# KiCad board 4x_Mini_Controller_Wired.kicad_pcb
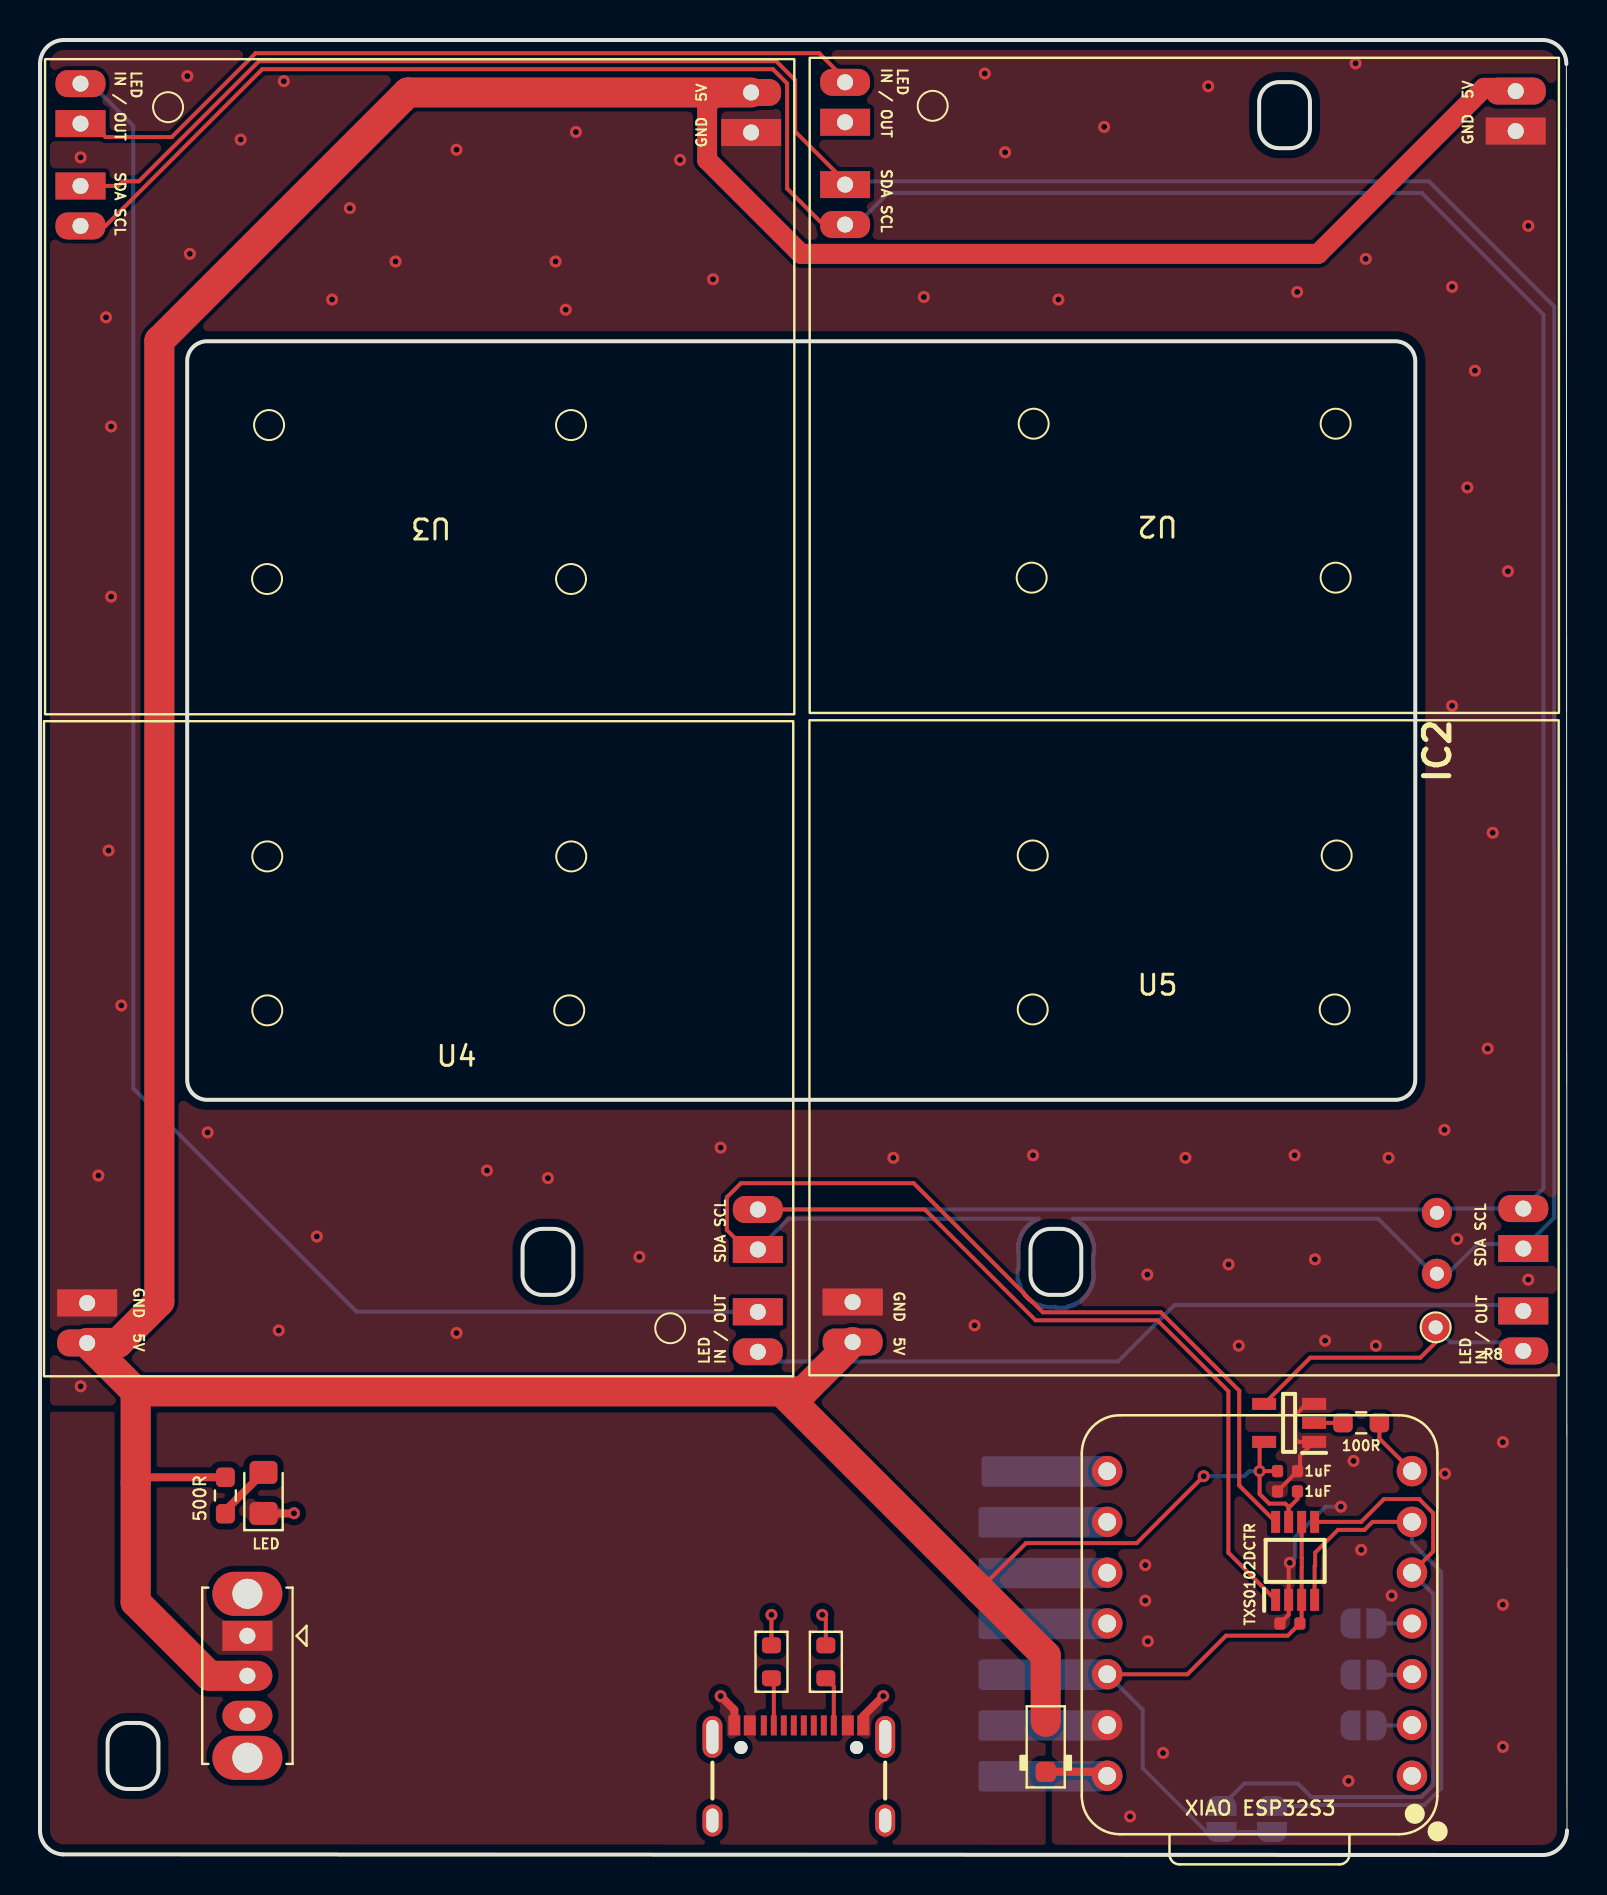
[diagram p0: board, top side]
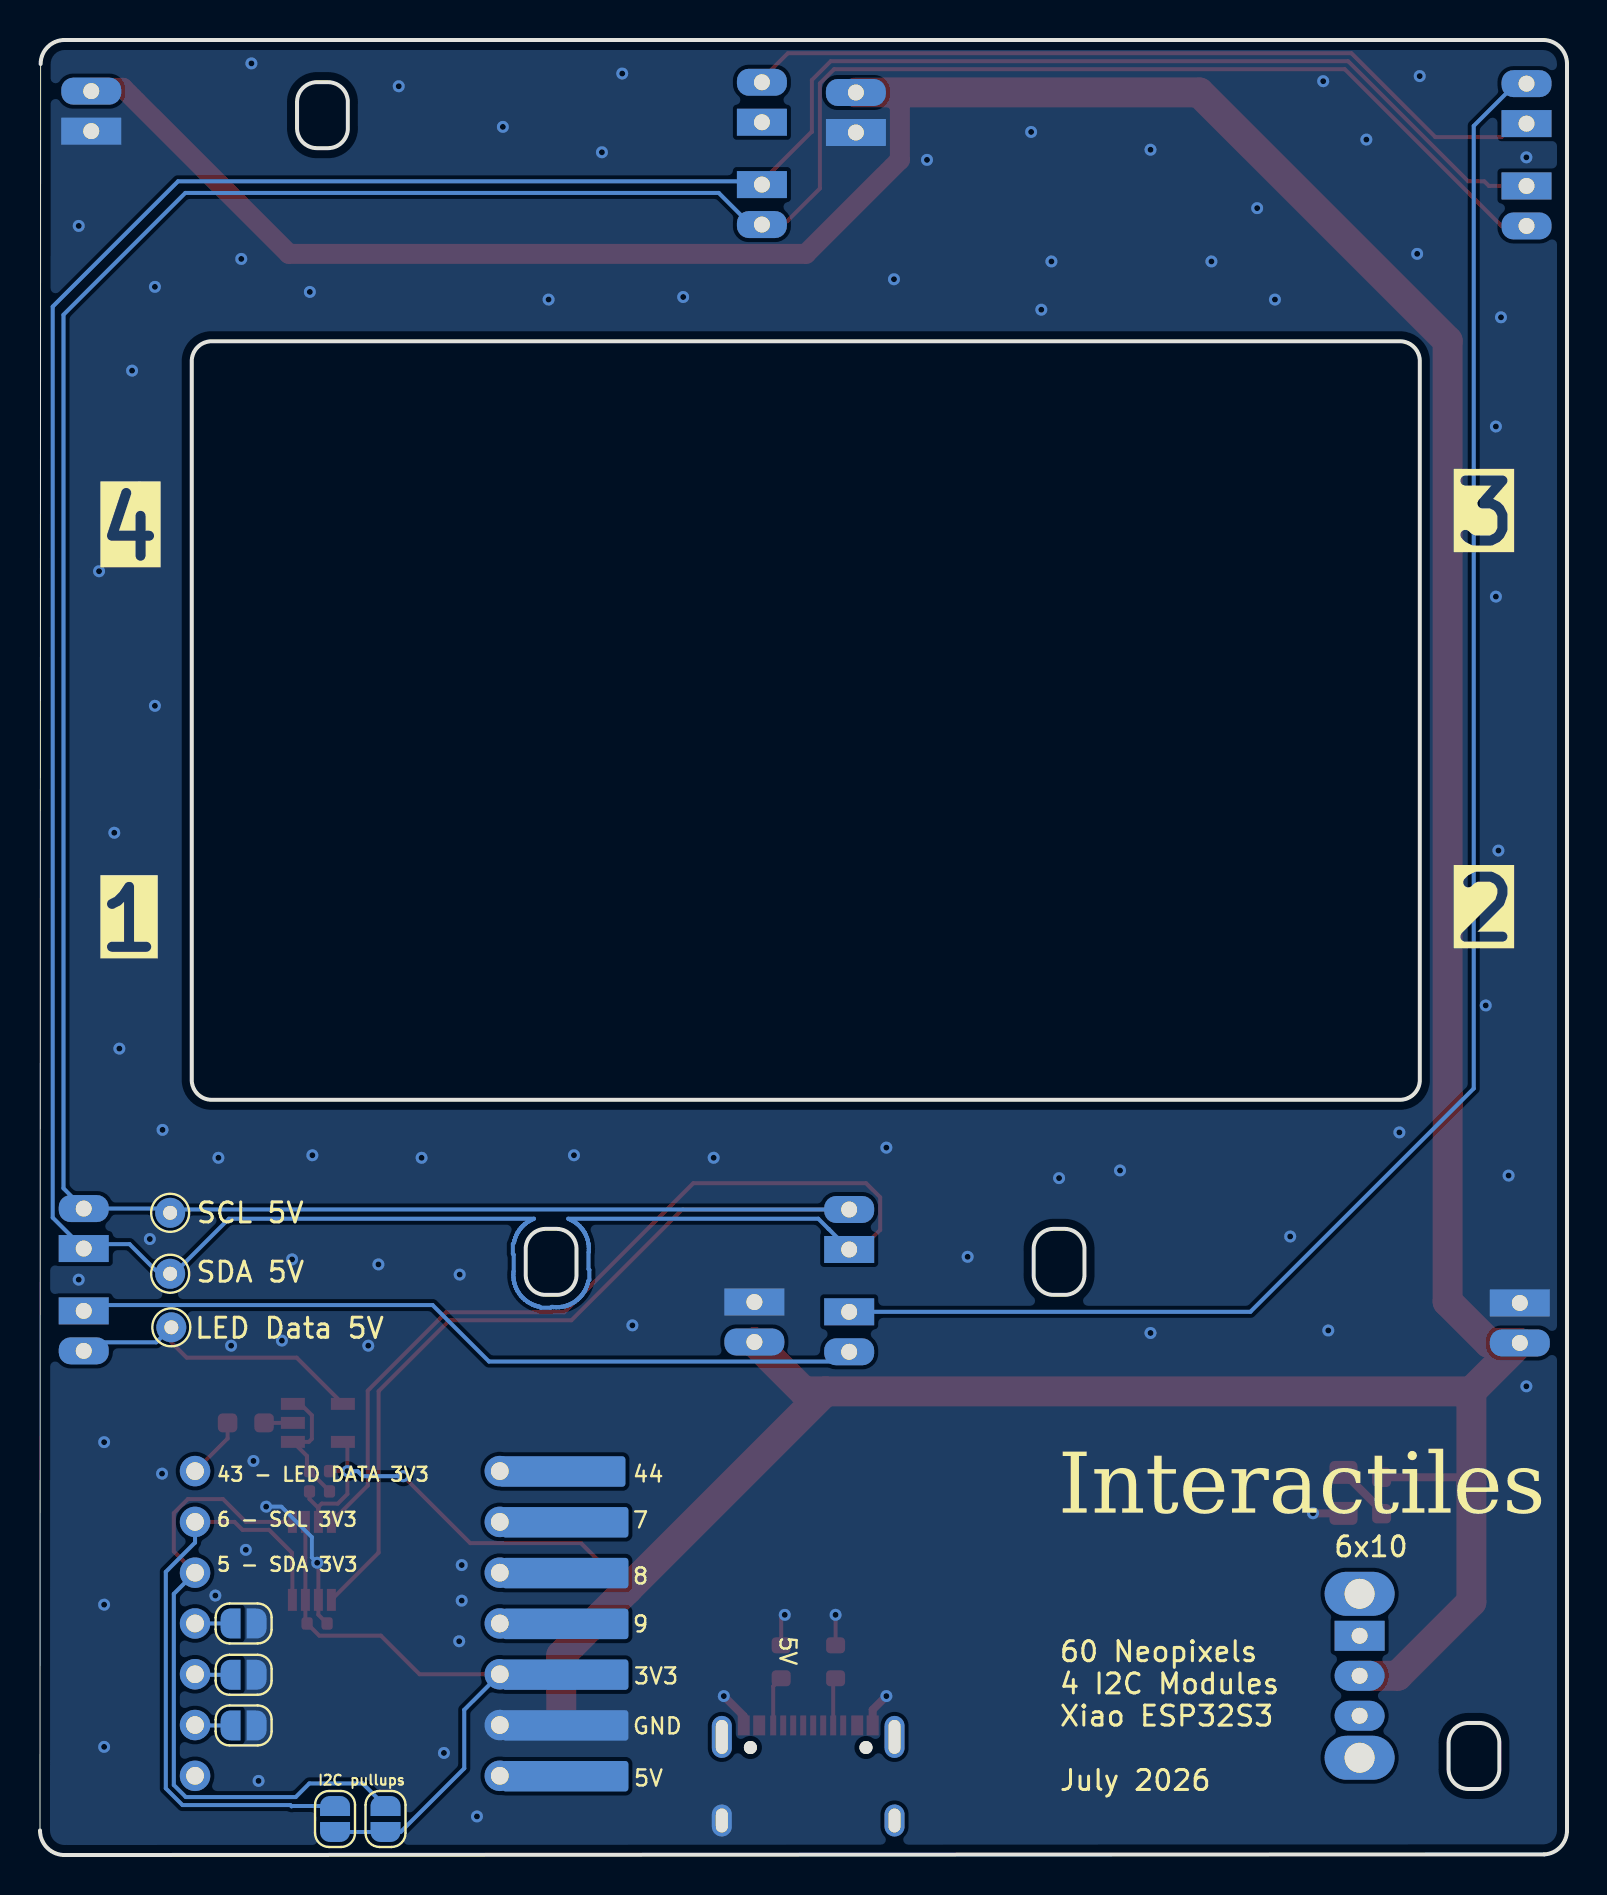
[diagram p1: board, bottom side, seen from below]

Outline 76.36 x 90.78 mm; copper layers: Top, Bottom. Coordinates in mm from the lower left corner of the outline.
Outline path: 4.38,3.3 3.68,3.6 3.38,4.3 3.38,5.6 3.68,6.31 4.38,6.6 4.92,6.6 5.63,6.31 5.92,5.6 5.92,4.3 5.63,3.6 4.92,3.3 closed ; 25.13,28.01 24.42,28.31 24.13,29.01 24.13,30.32 24.42,31.02 25.13,31.32 25.67,31.32 26.38,31.02 26.67,30.32 26.67,29.01 26.38,28.31 25.67,28.01 closed ; 50.53,28.01 49.82,28.31 49.53,29.01 49.53,30.32 49.82,31.02 50.53,31.32 51.07,31.32 51.78,31.02 52.07,30.32 52.07,29.01 51.78,28.31 51.07,28.01 closed ; 61.96,85.37 61.26,85.66 60.96,86.37 60.96,87.67 61.26,88.38 61.96,88.67 62.5,88.67 63.21,88.38 63.5,87.67 63.5,86.37 63.21,85.66 62.5,85.37 closed ; rectangle 7.36,75.71 68.77,37.77 ; 0,89.58 arc(0.35,90.43) 1.2,90.78 75.13,90.78 arc(75.98,90.43) 76.33,89.58 76.36,1.23 arc(75.97,0.33) 75.06,0 1.13,0.03 arc(0.33,0.41) 0,1.23 0,89.58

## Placement (name value [footprint] x y rotation side)
C2  1uF  [C_0402]  62.38 18.19 180 top
C4  1uF  [C_0402]  62.5 11.58 180 top
C7  1uF  [C_0402]  62.38 19.2 0 top
D1  LED  [LED_0805_2012Metric_Pad1.15x1.40mm_HandSolder]  11.18 18.11 90 top
D6  1N5817M  [D_SOD-323_BigPads]  50.29 5.41 90 top
IC2  -  [TXS0102DCTR]  62.76 14.71 90 top
IC3  -  [SN74AHCT1G125DBVR]  62.46 21.61 180 top
J2  USB_C_Receptacle  [USB-C_16]  37.95 6.82 0 top
JP1  SolderJumper_2_Open  [SolderJumper-2_P1.3mm_Open_RoundedPad1.0x1.5mm]  66.18 6.48 180 bottom
JP2  SolderJumper_2_Open  [SolderJumper-2_P1.3mm_Open_RoundedPad1.0x1.5mm]  66.18 9.02 180 bottom
JP5  SolderJumper_2_Open  [SolderJumper-2_P1.3mm_Open_RoundedPad1.0x1.5mm]  66.18 11.58 180 bottom
JP6  SolderJumper_2_Open  [SolderJumper-2_P1.3mm_Open_RoundedPad1.0x1.5mm]  59.08 1.8 270 bottom
JP7  SolderJumper_2_Open  [SolderJumper-2_P1.3mm_Open_RoundedPad1.0x1.5mm]  61.61 1.8 90 bottom
R1  5.1k  [R_0603_1608Metric]  36.58 9.66 90 top
R2  5.1k  [R_0603_1608Metric]  39.3 9.66 90 top
R3  500R  [R_0603_1608Metric_Pad0.98x0.95mm_HandSolder]  9.27 17.98 90 top
R8  100R  [R_0603_1608Metric_Pad0.98x0.95mm_HandSolder]  66.07 21.61 180 top
SW5  Slide_Switch_SPDT  [SW_Slide_SPDT_Straight_CK_OS102011MS2Q]  10.37 10.96 270 top
TP3  SCL 5V  [TestPoint_THTPad_D1.5mm_Drill0.7mm]  69.85 32.12 90 bottom
TP4  SDA 5V  [TestPoint_THTPad_D1.5mm_Drill0.7mm]  69.85 29.07 90 bottom
TP5  LED Data 5V  [TestPoint_THTPad_D1.5mm_Drill0.7mm]  69.79 26.39 0 bottom
U2  ~  [Mini_Module]  57.79 78.59 180 top
U3  ~  [Mini_Module]  19.56 78.52 180 top
U4  ~  [Mini_Module]  18.36 35.25 0 top
U5  ~  [Mini_Module]  56.64 35.29 0 top
U6  XIAO-ESP32-S3-SMD  [XIAO-ESP32-S3-DIP]  60.99 11.58 270 top

## Library data of the parts
C2 C4 C7 = -: Datasheet: https://www.lcsc.com/datasheet/lcsc_datasheet_2304140030_Samsung-Electro-Mechanics-CL05A105KA5NQNC_C52923.pdf; Description: 25V 1uF X5R ±10% 0402 Multilayer Ceramic Capacitors MLCC - SMD/SMT ROHS; LCSC: C52923; Stock: 7021828; Price: 0.006USD; Process: SMT; Minimum Qty: 20; Attrition Qty: 10; Class: Basic Component; Category: Capacitors,Multilayer Ceramic Capacitors MLCC - SMD/SMT; Manufacturer: Samsung Electro-Mechanics; Part: CL05A105KA5NQNC; Voltage Rated: 25V; Tolerance: ±10%; Temperature Coefficient: X5R; ki_fp_filters: C_*
D1 = -: Description: Common 5mm diameter LED; ki_fp_filters: LED_D5.0mm_Clear LED_D5.0mm_Horizontal_O1.27mm_Z3.0mm LED_D5.0mm_Horizontal_O3.81mm_Z3.0mm LED_D5.0mm_Horizontal_O6.35mm_Z3.0mm
D6 = -: Datasheet: https://media.digikey.com/pdf/Data%20Sheets/Diodes%20PDFs/1N5817M,5818M,5819M.pdf; Description: MELF Schottky diode, 20V, 1A, Alternate KiCAD Library; ki_fp_filters: TO-???* *_Diode_* *SingleDiode* D_*
IC2 = -: Description: 2-Bit Bidirectional Voltage-Level Shifter for Open-Drain and Push-Pull Application; Height: 1.3; Manufacturer_Name: Texas Instruments; Mouser Part Number: 595-TXS0102DCTR; Mouser Price/Stock: https://www.mouser.co.uk/ProductDetail/Texas-Instruments/TXS0102DCTR?qs=BWabSxB1G9cell1mrpKPvA%3D%3D; Arrow Price/Stock: https://www.arrow.com/en/products/txs0102dctr/texas-instruments?utm_currency=USD&region=nac
IC3 = -: Datasheet: http://www.ti.com/lit/ds/symlink/sn74ahct1g125.pdf; Description: 74AHCT Single Tri-state Bus Buffer SOT23 SN74AHCT1G125DBVR, Bus Buffer, HCT, 8.5 ns@ 50 pF, 8mA 4.5 ??? 5.5 V 5-Pin SOT-23; Height: 1.45; Manufacturer_Name: Texas Instruments; Mouser Part Number: 595-SNAHCT1G125DBVR; Mouser Price/Stock: https://www.mouser.co.uk/ProductDetail/Texas-Instruments/SN74AHCT1G125DBVR?qs=N6WZOzgtpqVaVW8Lh%252BgevA%3D%3D; Arrow Price/Stock: https://www.arrow.com/en/products/sn74ahct1g125dbvr/texas-instruments?utm_currency=USD&region=nac
J2 = -: Datasheet: https://www.usb.org/sites/default/files/documents/usb_type-c.zip; Description: USB 2.0-only Type-C Receptacle connector; PROD_ID: CONN-14122; ki_fp_filters: USB*C*Receptacle*
JP1 JP2 JP5-JP7 = -: Description: Solder Jumper, 2-pole, open; ki_fp_filters: SolderJumper*Open*
R1 R2 = -: Description: SMD 0603 Chip Resistor, European Symbol, Alternate KiCad Library; ki_fp_filters: R_*
R3 R8 = -: Description: 330Ω, 1/4W Resistor; ki_fp_filters: Resistor_THT:R_Axial_DIN0207_L6.3mm_D2.5mm*
SW5 = -: Description: SPDT Slide Switch with 10mm length, 5mm width and 10mm hight.
TP3-TP5 = -: Description: test point; ki_fp_filters: Pin* Test*

## Footprints (pads in the part's own frame, mm; a bottom-side part is the same pattern mirrored in y, then rotated)
C_0402
  rrect 0.56x0.62 smd: 1(-0.5,0) 2(0.5,0)
D_SOD-323_BigPads
  rrect 1x1 smd: 1(-1.25,0) 2(1.25,0)
LED_0805_2012Metric_Pad1.15x1.40mm_HandSolder
  rrect 1.15x1.4 smd: 1(-1.025,0) 2(1.025,0)
Mini_Module
  rrect 3x1.35 hole 0.8: 5V(-16.002,-9.636)
  rect 3x1.35 hole 0.8: GND(-16.002,-7.636)
  rrect 2.5x1.35 hole 0.8: IN(17.534,-10.079) SCL(17.534,-2.962)
  rect 2.5x1.35 hole 0.8: OUT(17.534,-8.079) SDA(17.534,-4.962)
R_0603_1608Metric
  rrect 0.8x0.95 smd: 1(-0.825,0) 2(0.825,0)
R_0603_1608Metric_Pad0.98x0.95mm_HandSolder
  rrect 0.975x0.95 smd: 1(-0.912,0) 2(0.912,0)
SN74AHCT1G125DBVR
  rect 1.2x0.6 smd: 1(-1.25,0.95) 2(-1.25,0) 3(-1.25,-0.95) 4(1.25,-0.95) 5(1.25,0.95)
SolderJumper-2_P1.3mm_Open_RoundedPad1.0x1.5mm
  custom 1x1.5 smd: 1(-0.65,0) 2(0.65,0)
SW_Slide_SPDT_Straight_CK_OS102011MS2Q
  oval 2.2x3.5 hole 1.5: (-2.1,0) (6.1,0)
  rect 1.5x2.5 hole 0.8: 1(0,0)
  oval 1.5x2.5 hole 0.8: 2(2,0) 3(4,0)
TestPoint_THTPad_D1.5mm_Drill0.7mm
  round 1.5 hole 0.7: 1(0,0)
TXS0102DCTR
  rect 1.1x0.45 smd: 1(-1.95,0.975) 2(-1.95,0.325) 3(-1.95,-0.325) 4(-1.95,-0.975) 5(1.95,-0.975) 6(1.95,-0.325) 7(1.95,0.325) 8(1.95,0.975)
USB-C_16
  round 0.65 hole 0.65 unplated: (-2.89,-1.445) (2.89,-1.445)
  rect 0.3x1 smd: A5(-1.25,-0.34) A6(-0.25,-0.34) A7(0.25,-0.34) A8(1.25,-0.34) B5(1.75,-0.34) B6(0.75,-0.34) B7(-0.75,-0.34) B8(-1.75,-0.34)
  rect 0.6x1 smd: GND(-3.225,-0.34) GND(3.225,-0.34) VBUS(-2.45,-0.34) VBUS(2.45,-0.34)
  oval 1x1.6 hole 0.6x1.2: NC1(-4.318,-5.095) S(4.318,-5.095)
  oval 1x2.1 hole 0.6x1.7: NC2(-4.318,-0.915) NC3(4.318,-0.915)
XIAO-ESP32-S3-DIP
  round 1.524 hole 0.889: 1(7.62,7.62) 2(5.08,7.62) 3(2.54,7.62) 4(0,7.62) 5(-2.54,7.62) 6(-5.08,7.62) 7(-7.62,7.62) 8(-7.62,-7.62) 9(-5.08,-7.62) 10(-2.54,-7.62) 11(0,-7.62) 12(2.54,-7.62) 13(5.08,-7.62) 14(7.62,-7.62)
  rrect 1.524x6.3 smd far side: 8(-7.6,-10.75) 9(-5.06,-10.9) 10(-2.52,-10.9) 11(0.02,-10.9) 12(2.56,-10.9) 13(5.1,-10.9) 14(7.64,-10.9)

## Nets
+3V3: C4.1 IC2.3 IC2.6 JP6.2 JP7.1 U6.12
+5V: C2.1 C7.1 D6.2 IC2.7 IC3.5 R3.2 SW5.2 U2.5V U3.5V U4.5V U5.5V
/5V to ESP32: D6.1 U6.14
/5V_TO_SWITCH: J2.VBUS SW5.1
GND: C2.2 C4.2 C7.2 D1.1 IC2.2 IC3.1 IC3.3 J2.GND J2.S JP1.2 JP2.2 JP5.2 R1.2 R2.2 U2.GND U3.GND U4.GND U5.GND U6.13
DATA_3v3: R8.1 U6.7
DATA_5v: IC3.4 TP5.1 U5.IN
DIP_1: JP1.1 U6.2
DIP_2: JP2.1 U6.3
DIP_3: JP5.1 U6.4
SCL_3v3: IC2.4 JP7.2 U6.6
SCL_5v: IC2.1 TP3.1 U2.SCL U3.SCL U4.SCL U5.SCL
SDA_3v3: IC2.5 JP6.1 U6.5
SDA_5v: IC2.8 TP4.1 U2.SDA U3.SDA U4.SDA U5.SDA
Net-(D1-Pad2): D1.2 R3.1
Net-(IC3-A): IC3.2 R8.2
Net-(J2-CC1): J2.A5 R1.1
Net-(J2-CC2): J2.B5 R2.1
Net-(U2-PadIN): U2.IN U3.OUT
Net-(U3-PadIN): U3.IN U4.OUT
Net-(U4-PadIN): U4.IN U5.OUT

Pads without a net: J2 A6 A7 A8 B6 B7 B8 NC1 NC2 NC3; SW5 3; U2 OUT; U6 1 8 9 10 11

## Via types
v1: diameter 0.6, hole 0.3, Top to Bottom, 83 vias

## Routing (per net, layer and track width the routed paths; a pad name or vN(x,y) marks a point on that pad's centre or on a via; arc(x,y) is an arc through that point)
+3V3: length 29
  Top w0.2: IC2.6 63.09,14.87 63.1,14.86 63.1,14.37 63.09,14.36 IC2.3 63.09,11.67 C4.1 62.39,10.97 59.31,10.97 57.38,9.04 U6.12
  Bottom w0.2: U6.12 55.14,7.26 55.14,4.33 58.33,1.15 JP6.2 JP7.1
+5V: length 247.2
  Top w0.2: 46.99,13.28 49.31,15.6 54.84,15.6 v1(58.19,18.95) ; v1(60.99,19.2) 60.99,20.44 IC3.5 ; v1(60.99,19.2) 60.99,18.06 61.47,17.58 62.27,17.58 62.44,17.41 IC2.7 62.44,17.36 62.88,17.8 C2.1 ; v1(60.99,19.2) 62.01,19.2
  Top w0.4: 4.78,18.62 5.06,18.89 R3.2
  Top w1: 73.79,88.39 72.21,88.39 63.91,80.08 38.06,80.08 33.36,84.78 33.36,87.53 33.99,88.16 U3.5V
  Top w1.5: 37.08,23.19 38.17,23.19 U5.5V ; 37.08,23.19 4.78,23.19 ; 37.08,23.19 50.29,9.98 D6.2 ; 4.78,23.19 4.78,12.65 8.47,8.96 SW5.2 ; 4.78,23.19 U4.5V 3.9,25.61 5.97,27.68 5.97,75.74 18.39,88.16 U3.5V
  Bottom w0.2: v1(58.19,18.95) 60.22,18.95 60.48,19.2 v1(60.99,19.2)
/5V to ESP32: length 3.2
  Top w0.4: U6.14 53.17,4.16 D6.1
GND: length 22.4
  Top w0.2: 61.88,18.2 C7.2 ; 63.01,19.2 63.01,19.96 IC3.1 62.91,20.66 62.76,20.81 62.76,22 63.33,22.56 IC3.3 ; v1(62.5,14.62) 62.44,14.56 IC2.2 62.44,12.02 C4.2 ; v1(39.12,12.01) 39.3,11.83 R2.2 ; R1.2 v1(36.58,12.01)
  Top w0.4: v1(42.16,7.95) 41.17,6.95 J2.GND ; D1.1 12.69,17.08 v1(12.7,17.09) ; J2.GND 34.72,7.26 v1(34.04,7.95)
  Bottom w0.2: v1(62.5,14.62) 62.76,14.88 62.76,15.9 64.29,17.42 v1(65.05,17.42)
  vias: v1(2.03,84.91) v1(2.03,23.44) v1(2.92,33.98) v1(3.3,76.91) v1(3.43,50.24) v1(3.56,71.45) v1(3.56,62.94) v1(4.06,42.49) v1(7.37,88.97) v1(7.49,80.08) v1(8.38,36.14) v1(10.03,85.8) v1(11.94,26.24) v1(12.19,88.72) v1(13.84,30.94) v1(14.61,77.8) v1(15.49,82.37) v1(17.78,79.7) v1(20.83,85.29) v1(20.83,26.11) v1(22.35,34.24) v1(25.4,33.86) v1(25.78,79.7) v1(26.29,77.29) v1(26.8,86.18) v1(29.97,29.92) v1(32,84.78) v1(33.66,78.81) v1(34.04,35.38) v1(42.67,34.87) v1(44.2,77.93) v1(46.74,26.49) v1(47.24,89.1) v1(48.26,85.16) v1(49.66,35) v1(50.93,77.8) v1(53.21,86.43) v1(54.51,1.93) v1(55.27,14.5) v1(55.27,12.72) v1(55.37,29.03) v1(55.4,10.69) v1(56.16,5.1) v1(57.28,34.87) v1(58.42,88.47) v1(59.44,29.54) v1(59.94,25.47) v1(62.74,35) v1(62.86,78.18) v1(63.75,29.79) v1(64.26,25.73) v1(65.43,3.71) v1(65.68,19.71) v1(65.79,89.61) v1(66.07,15.26) v1(66.29,79.83) v1(66.8,25.47) v1(67.44,34.87) v1(67.59,12.98) v1(70.23,36.27) v1(70.26,19.07) v1(70.61,78.43) v1(70.61,57.48) v1(70.87,30.81) v1(71.37,68.4) v1(71.76,74.24) v1(72.39,40.33) v1(72.64,51.13) v1(73.15,20.65) v1(73.15,12.52) v1(73.15,5.41) v1(73.41,64.21) v1(74.42,81.48) v1(74.42,28.78)
DATA_3v3: length 3.1
  Top w0.2: U6.7 66.98,20.83 R8.1
DATA_5v: length 15.5
  Top w0.2: IC3.4 63.52,24.87 69.02,24.87 69.79,25.64 TP5.1
  Bottom w0.2: TP5.1 70.54,25.64 73.74,25.64 U5.IN
DIP_1: length 1.8
  Bottom w0.2: U6.2 68.59,6.48 JP1.1
DIP_2: length 1.8
  Bottom w0.2: U6.3 68.58,9.02 JP2.1
DIP_3: length 1.8
  Bottom w0.2: JP5.1 U6.4
SCL_3v3: length 30.6
  Top w0.2: IC2.4 63.74,14.44 63.76,14.47 63.76,15.12 64.9,16.26 66.23,16.26 66.63,16.66 U6.6
  Bottom w0.2: U6.6 68.61,15.62 70.07,14.16 70.07,3.33 69.23,2.5 63.84,2.5 63.78,2.44 63.76,2.45 JP7.2
SCL_5v: length 208.4
  Top w0.2: 40.25,81.71 39,81.71 37.36,83.35 37.36,88.61 36.65,89.32 11.11,89.32 3.27,81.48 U3.SCL ; U4.SCL 44.24,32.29 49.78,26.74 55.88,26.74 59.43,23.2 59.43,15.12 IC2.1
  Bottom w0.2: U2.SCL 40.83,81.55 42.42,83.13 69.09,83.13 75.18,77.04 75.18,33.35 U5.SCL 69.88,32.33 69.66,32.12 69.5,32.29 U4.SCL ; 2.26,81.71 U3.SCL
SDA_3v3: length 32.8
  Top w0.2: IC2.5 66.07,16.66 67.21,17.8 68.96,17.8 69.67,17.1 69.67,15.18 U6.5
  Bottom w0.2: U6.5 69.67,13.06 69.67,3.5 69.07,2.9 63.57,2.9 62.89,3.58 60.22,3.58 59.1,2.45 JP6.1
SDA_5v: length 223.7
  Top w0.2: 40.25,83.71 37.78,86.18 37.76,86.18 37.76,88.78 36.82,89.72 10.95,89.72 4.94,83.71 4.14,83.71 3.9,83.48 U3.SDA ; U4.SDA 35.32,30.29 34.35,31.26 34.35,32.9 35.05,33.6 43.69,33.6 49.19,28.1 49.19,28.09 49.2,28.08 49.2,28.07 49.21,28.07 49.25,28.03 49.28,27.99 49.28,27.98 49.29,27.97 49.29,27.96 49.3,27.96 49.34,27.92 49.37,27.88 49.37,27.87 49.38,27.87 49.39,27.86 49.4,27.86 49.44,27.83 49.48,27.78 49.48,27.78 49.49,27.77 49.49,27.76 49.5,27.76 49.55,27.73 49.59,27.7 49.59,27.69 49.6,27.68 49.61,27.68 49.61,27.68 50.15,27.14 56.05,27.14 59.97,23.22 59.97,18.48 IC2.8
  Bottom w0.2: U4.SDA 36.92,31.31 36.93,31.31 37.44,31.82 49.94,31.82 49.91,31.81 49.86,31.79 49.85,31.79 49.84,31.79 49.83,31.79 49.83,31.78 49.79,31.75 49.73,31.73 49.73,31.73 49.72,31.72 49.71,31.72 49.7,31.71 49.66,31.68 49.61,31.65 49.61,31.65 49.6,31.65 49.59,31.64 49.59,31.64 49.55,31.6 49.5,31.57 49.49,31.57 49.49,31.56 49.48,31.56 49.48,31.55 49.44,31.51 49.4,31.48 49.39,31.47 49.38,31.47 49.37,31.46 49.37,31.45 49.34,31.41 49.3,31.37 49.29,31.37 49.29,31.36 49.28,31.35 49.28,31.35 49.25,31.3 49.21,31.26 49.2,31.26 49.2,31.25 49.19,31.24 49.19,31.23 49.17,31.18 49.13,31.14 49.13,31.14 49.12,31.13 49.12,31.12 49.12,31.11 49.1,31.06 49.07,31.02 49.06,31.01 49.06,31 49.05,31 49.05,30.99 49.04,30.93 49.01,30.89 49.01,30.88 49,30.87 49,30.86 49,30.86 48.99,30.8 48.97,30.75 48.96,30.75 48.96,30.74 48.96,30.73 48.96,30.72 48.95,30.67 48.93,30.59 48.94,30.57 48.93,30.57 48.93,30.53 48.91,30.45 48.92,30.42 48.9,30.31 48.92,30.28 48.91,30.17 48.93,30.14 48.93,29.31 48.89,29.26 48.89,28.77 48.94,28.72 48.95,28.67 48.96,28.61 48.96,28.6 48.96,28.59 48.96,28.58 48.97,28.58 48.99,28.53 49,28.48 49,28.47 49,28.46 49.01,28.45 49.01,28.44 49.04,28.4 49.05,28.34 49.05,28.34 49.06,28.33 49.06,28.32 49.07,28.31 49.1,28.27 49.12,28.22 49.12,28.21 49.12,28.2 49.13,28.19 49.13,28.19 49.17,28.15 49.19,28.1 49.19,28.09 49.2,28.08 49.2,28.07 49.21,28.07 49.25,28.03 49.28,27.99 49.28,27.98 49.29,27.97 49.29,27.96 49.3,27.96 49.34,27.92 49.37,27.88 49.37,27.87 49.38,27.87 49.39,27.86 49.4,27.86 49.44,27.83 49.48,27.78 49.48,27.78 49.49,27.77 49.49,27.76 49.5,27.76 49.55,27.73 49.59,27.7 49.59,27.69 49.6,27.68 49.61,27.68 49.61,27.68 49.66,27.65 49.7,27.62 49.71,27.61 49.72,27.61 49.73,27.6 49.73,27.6 49.79,27.58 49.83,27.55 49.83,27.55 49.84,27.54 49.85,27.54 49.86,27.54 49.91,27.52 49.96,27.5 49.96,27.49 49.97,27.49 49.98,27.48 49.99,27.49 50.04,27.48 50.09,27.45 50.1,27.45 50.11,27.45 50.12,27.44 50.13,27.44 50.18,27.44 50.26,27.41 50.28,27.42 50.28,27.41 50.32,27.41 50.4,27.39 50.42,27.41 50.54,27.39 50.56,27.41 50.68,27.4 50.7,27.41 50.78,27.41 50.82,27.37 51.32,27.37 51.37,27.42 51.42,27.44 51.47,27.44 51.48,27.44 51.49,27.45 51.5,27.45 51.51,27.45 51.56,27.48 51.61,27.49 51.62,27.48 51.63,27.49 51.64,27.49 51.64,27.5 51.69,27.52 51.74,27.54 51.75,27.54 51.76,27.54 51.77,27.55 51.77,27.55 51.81,27.58 51.87,27.6 51.87,27.6 51.88,27.61 51.89,27.61 51.9,27.62 51.94,27.65 51.99,27.68 51.99,27.68 52,27.68 52.01,27.69 52.01,27.7 52.05,27.74 52.1,27.76 52.11,27.76 52.11,27.77 52.12,27.78 52.12,27.78 52.16,27.83 52.2,27.86 52.21,27.86 52.22,27.87 52.23,27.87 52.23,27.88 52.26,27.93 52.3,27.96 52.31,27.96 52.31,27.97 52.32,27.98 52.32,27.99 52.35,28.03 52.39,28.07 52.4,28.07 52.4,28.08 52.41,28.09 52.41,28.1 52.43,28.15 52.47,28.19 52.47,28.19 52.48,28.2 52.48,28.21 52.48,28.22 52.5,28.27 52.53,28.31 52.54,28.32 52.54,28.33 52.55,28.34 52.55,28.34 52.56,28.4 52.59,28.44 52.59,28.45 52.6,28.46 52.6,28.47 52.6,28.48 52.61,28.53 52.63,28.58 52.64,28.58 52.64,28.59 52.64,28.6 52.64,28.61 52.65,28.67 52.67,28.74 52.66,28.76 52.67,28.77 52.67,28.81 52.69,28.88 52.68,28.91 52.7,29.02 52.68,29.05 52.69,29.17 52.67,29.19 52.67,30.03 52.71,30.07 52.71,30.57 52.66,30.61 52.65,30.67 52.64,30.72 52.64,30.73 52.64,30.74 52.64,30.75 52.63,30.75 52.61,30.8 52.6,30.86 52.6,30.86 52.6,30.87 52.59,30.88 52.59,30.89 52.56,30.93 52.55,30.99 52.55,31 52.54,31 52.54,31.01 52.53,31.02 52.5,31.06 52.48,31.11 52.48,31.12 52.48,31.13 52.47,31.14 52.47,31.14 52.43,31.18 52.41,31.23 52.41,31.24 52.4,31.25 52.4,31.26 52.39,31.26 52.35,31.3 52.32,31.35 52.32,31.35 52.31,31.36 52.31,31.37 52.3,31.37 52.26,31.41 52.23,31.45 52.23,31.46 52.22,31.47 52.21,31.47 52.2,31.48 52.16,31.51 52.12,31.55 52.12,31.56 52.11,31.56 52.11,31.57 52.1,31.57 52.05,31.6 52.01,31.64 52.01,31.64 52,31.65 51.99,31.65 51.99,31.65 51.94,31.68 51.9,31.71 51.89,31.72 51.88,31.72 51.87,31.73 51.87,31.73 51.81,31.75 51.77,31.78 51.77,31.79 51.76,31.79 51.75,31.79 51.74,31.79 51.69,31.81 51.66,31.82 66.91,31.82 69.66,29.07 70.4,29.07 71.88,30.55 73.95,30.55 U5.SDA 74.18,30.33 75.72,31.88 75.72,77.45 69.46,83.71 40.25,83.71 ; 2.26,83.71 U3.SDA
Net-(D1-Pad2): length 2.9
  Top w0.4: D1.2 9.27,17.23 R3.1
Net-(IC3-A): length 1.4
  Top w0.2: R8.2 IC3.2
Net-(J2-CC1): length 2.4
  Top w0.2: R1.1 36.7,8.72 J2.A5
Net-(J2-CC2): length 2.5
  Top w0.2: J2.B5 39.7,8.44 R2.1
Net-(U2-PadIN): length 40.8
  Top w0.2: 40.25,88.83 38.96,90.12 10.78,90.12 6.59,85.93 3.27,85.93 2.6,86.6 U3.OUT
Net-(U3-PadIN): length 87.5
  Bottom w0.2: U3.IN 2.55,88.6 4.66,86.48 4.66,38.34 15.83,27.17 U4.OUT
Net-(U4-PadIN): length 39.8
  Bottom w0.2: U5.OUT 73.88,27.51 56.73,27.51 53.91,24.68 36.38,24.68 U4.IN

## Copper pours and planes (outline as drawn; the poured copper is in the pictures)
/5V_TO_SWITCH on Top: -1.02,-0.69 -1.02,22.17 50.29,22.17 50.29,-0.69
GND on Top, Bottom: -2.69,95.3 -5.33,18.87 -4.55,-25.58 79.76,-24.1 79.96,35.32 79.81,95.3

## Text on the board
B.Silkscreen: I2C pullups | 43 - LED DATA 3V3 / 6 - SCL 3V3 / 5 - SDA 3V3 | 5V | 6x10 | 60 Neopixels / 4 I2C Modules / Xiao ESP32S3 / July 2026 | 3 | 2 | 4 | 1 | Interactiles
F.Fab: ${REFERENCE}
F.Silkscreen: LED / IN / OUT | SDA SCL | 1uF | GND  5V | XIAO ESP32S3
